# Altium PCB Kasli-DIOT.PCBDOC (part 8 of 21) (continued)
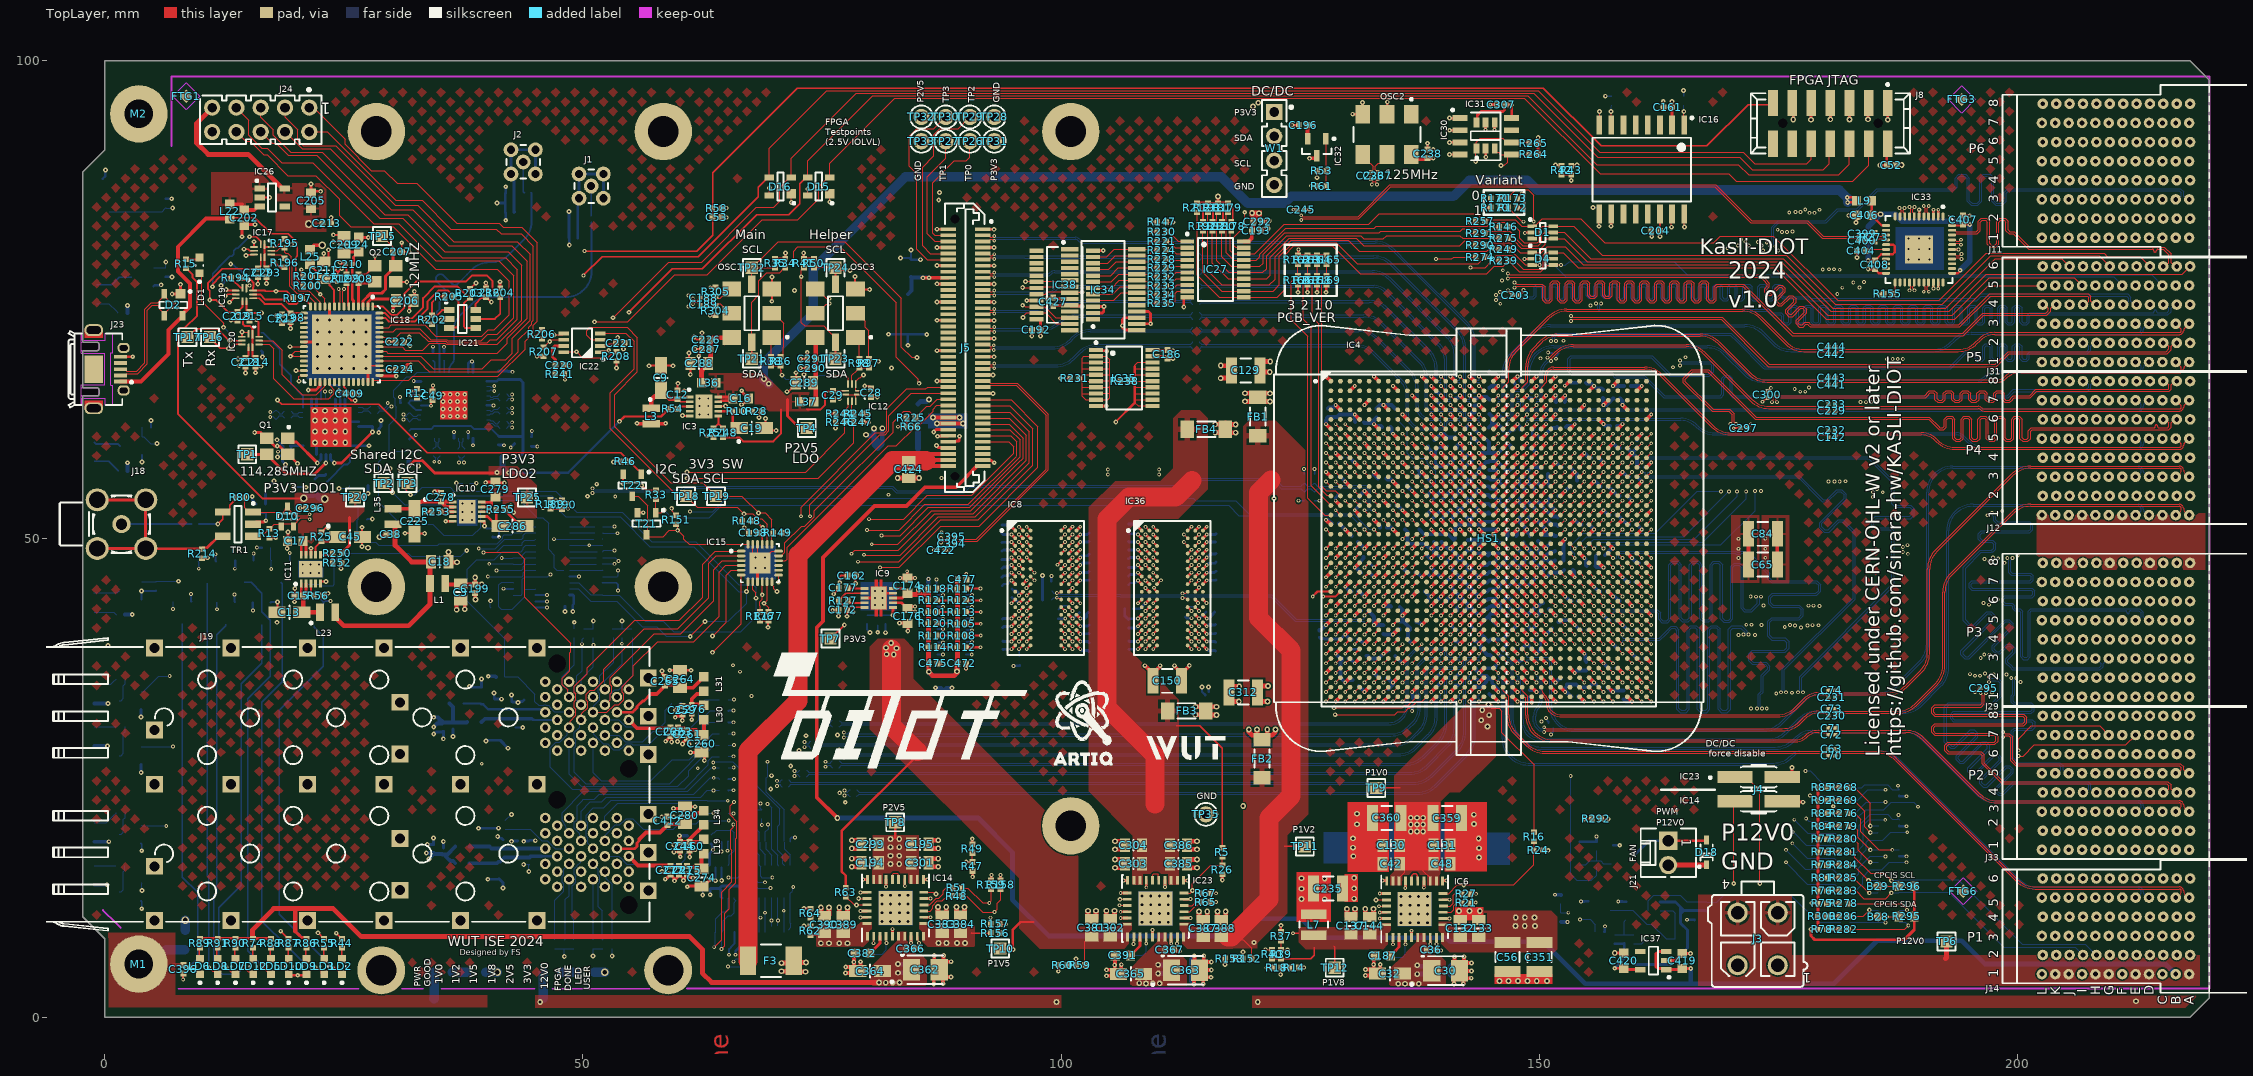
[diagram p0: TopLayer view]
## Nets (pads, with @x,y where several pads share a name; then routed paths per layer and width w, separated by ;. In a path a pad name is that pad's centre, name@x,y a point inside that pad or via, vN(x,y) a via of type N, cw(c..) or ccw(c..) an arc to the next point about the centre after c; other vN are vias at no path point) (continued)
  TopLayer w0.4: v3(27.531,49.075) v3@27.542,49.086 ; v3(28.732,50.211) 28.77,50.25 29.225,50.25 C38.1@29.461,50.486 ; C18.1@35.947,47.957 v3@35.947,48.619 ; C18.1@36.15,47.55 v3@36.813,47.55 ; C3.1@36.771,43.279 36.782,43.268 36.782,42.605 v3(36.793,42.595) ; C3.1@37.621,43.329 37.632,43.318 37.632,42.655 v3(37.643,42.645) ; C199.1@38.732,44.343 38.743,44.332 38.743,43.67 v3(38.754,43.659) ; v2(77.45,4.625) 78.525,4.625 C364.2@78.725,4.825 ; v2(77.475,5.25) 78.3,5.25 C364.2@78.325,5.225 ; C382.1@78.425,6.7 78.341,6.616 78.341,5.788 v2(78.321,5.769) 78.325,5.766 C364.2@78.325,5.225 ; v2(79.015,5.791) 79.015,5.115 C364.2@78.725,4.825 ; v2(86.675,3.475) 86.675,4.375 C362.2@87.25,4.95 ; v2(86.725,6.45) 86.725,5.475 C362.2@87.25,4.95 ; C475.1@87.066,36.981 87.072,36.975 v1(87.625,36.975) ; C362.2@87.25,5.1 C362.2@87.725,5.575 ; v2(87.65,3.5) C362.2@87.65,4.5 ; v2(87.713,6.451) 87.713,5.587 87.925,5.8 v2(88.5,5.8) ; v2(88.475,4.2) 87.95,4.2 C362.2@87.65,4.5 ; v1(90.05,36.45) 90.05,36.987 C472.1@90.053,36.991 ; C477.1@90.075,45.777 v1(90.075,46.325) ; v2(104.725,4.325) 105.8,4.325 C365.2@106,4.525 ; v2(104.75,4.95) 105.575,4.95 C365.2@105.6,4.925 ; C391.1@105.65,6.45 105.616,6.416 105.616,5.488 v2(105.596,5.469) 105.6,5.466 C365.2@105.6,4.925 ; v2(106.29,5.491) 106.29,4.815 C365.2@106,4.525 ; v5(108.75,36.75) 108.769,36.731 108.819,36.731 C150.1@109.6,35.95 ; C150.1@109.6,35.175 C150.1@109.6,35.95 ; v5(110.35,36.75) 110.331,36.731 110.331,36.681 C150.1@109.6,35.95 ; v2(113.875,3.45) 113.875,4.35 C363.2@114.45,4.925 ; v2(113.925,6.425) 113.925,5.45 C363.2@114.45,4.925 ; C363.2@114.45,4.875 C363.2@114.45,4.9 C363.2@114.45,4.925 ; C363.2@114.45,5.075 C363.2@114.925,5.55 ; v2(114.85,3.475) C363.2@114.85,4.475 ; v2(114.913,6.426) 114.913,5.562 115.125,5.775 v2(115.7,5.775) ; v2(115.675,4.175) 115.15,4.175 C363.2@114.85,4.475 ; v2(115.7,4.925) C363.2@114.45,4.925 ; v5(116.85,14.35) R26.1@116.85,14.93 ; v5(125.975,89.8) 126.625,89.8 126.725,89.9 IC32.3@126.725,90.05 ; v1(127.7,36) IC4.AL1@128.2,36.5 ; v1(127.7,46) IC4.AA1@128.2,46.5 ; v1(127.7,57) IC4.L1@128.2,56.5 ; v1(127.7,67) IC4.A1@128.2,66.5 ; v1(128.7,33) IC4.AP2@129.2,33.5 ; v1(128.7,43) IC4.AD2@129.2,43.5 ; v1(128.7,54) IC4.P2@129.2,53.5 ; v1(128.7,64) IC4.D2@129.2,63.5 ; v1(129.7,40) IC4.AG3@130.2,40.5 ; v1(129.7,51) IC4.U3@130.2,50.5 ; v1(129.7,61) IC4.G3@130.2,60.5 ; v1(130.7,37) IC4.AK4@131.2,37.5 ; v1(130.7,47) IC4.Y4@131.2,47.5 ; v1(130.7,58) IC4.K4@131.2,57.5 ; v1(131.7,34) IC4.AN5@132.2,34.5 ; v1(131.7,44) IC4.AC5@132.2,44.5 ; v1(131.7,55) IC4.N5@132.2,54.5 ; v1(131.7,64) IC4.C5@132.2,64.5 ; v2(131.8,4.35) 132.875,4.35 C32.2@133.075,4.55 ; v2(131.825,4.975) 132.65,4.975 C32.2@132.675,4.95 ; v1(132.7,41) IC4.AF6@133.2,41.5 ; v1(132.7,52) IC4.T6@133.2,51.5 ; v1(132.7,62) IC4.F6@133.2,61.5 ; C187.1@132.84,6.44 132.691,6.291 132.691,5.513 v2(132.671,5.494) 132.675,5.491 C32.2@132.675,4.95 ; v2(133.365,5.516) 133.365,4.84 C32.2@133.075,4.55 ; v1(133.7,38) IC4.AJ7@134.2,38.5 ; v1(133.7,48) IC4.W7@134.2,48.5 ; v1(133.7,59) IC4.J7@134.2,58.5 ; v1(134.7,35) IC4.AM8@135.2,35.5 ; v1(134.7,45) IC4.AB8@135.2,45.5 ; v1(134.7,56) IC4.M8@135.2,55.5 ; v1(134.7,66) IC4.B8@135.2,65.5 ; v1(135.7,42) IC4.AE9@136.2,42.5 ; v1(135.7,53) IC4.R9@136.2,52.5 ; v1(135.7,63) IC4.E9@136.2,62.5 ; v1(136.7,39) IC4.AH10@137.2,39.5 ; v1(136.7,49) IC4.V10@137.2,49.5 ; v1(136.7,60) IC4.H10@137.2,59.5 ; v1(137.7,36) IC4.AL11@138.2,36.5 ; v1(137.7,46) IC4.AA11@138.2,46.5 ; v1(137.7,57) IC4.L11@138.2,56.5 ; v1(137.7,67) IC4.A11@138.2,66.5 ; v1(138.7,33) IC4.AP12@139.2,33.5 ; v1(138.7,34) IC4.AN12@139.2,34.5 ; v1(138.7,35) IC4.AM12@139.2,35.5 ; v1(138.7,36) IC4.AL12@139.2,36.5 ; v1(138.7,37) IC4.AK12@139.2,37.5 ; v1(138.7,38) IC4.AJ12@139.2,38.5 ; v1(138.7,39) IC4.AH12@139.2,39.5 ; v1(138.7,44) IC4.AC12@139.2,44.5 ; v1(138.7,46) IC4.AA12@139.2,46.5 ; v1(138.7,48) IC4.W12@139.2,48.5 ; v1(138.7,51) IC4.U12@139.2,50.5 ; v1(138.7,53) IC4.R12@139.2,52.5 ; v1(138.7,55) IC4.N12@139.2,54.5 ; v1(138.7,61) IC4.G12@139.2,60.5 ; v1(138.7,62) IC4.F12@139.2,61.5 ; v1(138.7,63) IC4.E12@139.2,62.5 ; v1(138.7,64) IC4.D12@139.2,63.5 ; v1(138.7,65) IC4.C12@139.2,64.5 ; v1(138.7,66) IC4.B12@139.2,65.5 ; v1(138.7,67) IC4.A12@139.2,66.5 ; v1(139.7,35) IC4.AM13@140.2,35.5 ; v1(139.7,39) IC4.AH13@140.2,39.5 ; v1(139.7,40) IC4.AG13@140.2,40.5 ; v1(139.7,41) IC4.AF13@140.2,41.5 ; v1(139.7,45) IC4.AB13@140.2,45.5 ; v1(139.7,47) IC4.Y13@140.2,47.5 ; v1(139.7,49) IC4.V13@140.2,49.5 ; v1(139.7,52) IC4.T13@140.2,51.5 ; v1(139.7,54) IC4.P13@140.2,53.5 ; v1(139.7,56) IC4.M13@140.2,55.5 ; v1(139.7,58) IC4.K13@140.2,57.5 ; v1(139.7,59) IC4.J13@140.2,58.5 ; v1(139.7,60) IC4.H13@140.2,59.5 ; v1(139.7,61) IC4.G13@140.2,60.5 ; v1(139.7,65) IC4.C13@140.2,64.5 ; v1(140.7,33) IC4.AP14@141.2,33.5 ; v1(140.7,37) IC4.AK14@141.2,37.5 ; v1(140.7,41) IC4.AF14@141.2,41.5 ; v1(140.7,44) IC4.AC14@141.2,44.5 ; v1(140.7,46) IC4.AA14@141.2,46.5 ; v1(140.7,48) IC4.W14@141.2,48.5 ; v1(140.7,51) IC4.U14@141.2,50.5 ; v1(140.7,53) IC4.R14@141.2,52.5 ; v1(140.7,55) IC4.N14@141.2,54.5 ; v1(140.7,57) IC4.L14@141.2,56.5 ; v1(140.7,59) IC4.J14@141.2,58.5 ; v1(140.7,63) IC4.E14@141.2,62.5 ; v1(140.7,67) IC4.A14@141.2,66.5 ; v2@141.075,3.55 141.075,4.249 C30.2@141.65,4.824 ; v2(141.125,6.324) 141.125,5.349 C30.2@141.65,4.824 ; C30.2@141.65,4.774 C30.2@141.65,4.824 ; C30.2@141.65,4.974 C30.2@142.125,5.449 ; v1(141.7,35) IC4.AM15@142.2,35.5 ; v1(141.7,39) IC4.AH15@142.2,39.5 ; v1(141.7,41) IC4.AF15@142.2,41.5 ; v1(141.7,43) IC4.AD15@142.2,43.5 ; v1(141.7,45) IC4.AB15@142.2,45.5 ; v1(141.7,47) IC4.Y15@142.2,47.5 ; v1(141.7,49) IC4.V15@142.2,49.5 ; v1(141.7,52) IC4.T15@142.2,51.5 ; v1(141.7,54) IC4.P15@142.2,53.5 ; v1(141.7,56) IC4.M15@142.2,55.5 ; v1(141.7,58) IC4.K15@142.2,57.5 ; v1(141.7,59) IC4.J15@142.2,58.5 ; v1(141.7,61) IC4.G15@142.2,60.5 ; v1(141.7,65) IC4.C15@142.2,64.5 ; v2@142.05,3.55 C30.2@142.05,4.374 ; v2(142.113,6.326) 142.113,5.462 142.326,5.674 v2(142.9,5.674) ; v1(142.7,33) IC4.AP16@143.2,33.5 ; v1(142.7,37) IC4.AK16@143.2,37.5 ; v1(142.7,41) IC4.AF16@143.2,41.5 ; v1(142.7,42) IC4.AE16@143.2,42.5 ; v1(142.7,44) IC4.AC16@143.2,44.5 ; v1(142.7,46) IC4.AA16@143.2,46.5 ; v1(142.7,48) IC4.W16@143.2,48.5 ; v1(142.7,51) IC4.U16@143.2,50.5 ; v1(142.7,53) IC4.R16@143.2,52.5 ; v1(142.7,55) IC4.N16@143.2,54.5 ; v1(142.7,57) IC4.L16@143.2,56.5 ; v1(142.7,59) IC4.J16@143.2,58.5 ; v1(142.7,63) IC4.E16@143.2,62.5 ; v1(142.7,67) IC4.A16@143.2,66.5 ; v2(142.875,4.074) 142.35,4.074 C30.2@142.05,4.374 ; v2(142.9,4.824) C30.2@141.65,4.824 ; v1(143.7,35) IC4.AM17@144.2,35.5 ; v1(143.7,39) IC4.AH17@144.2,39.5 ; v1(143.7,41) IC4.AF17@144.2,41.5 ; v1(143.7,43) IC4.AD17@144.2,43.5 ; v1(143.7,45) IC4.AB17@144.2,45.5 ; v1(143.7,47) IC4.Y17@144.2,47.5 ; v1(143.7,48) IC4.W17@144.2,48.5 ; v1(143.7,54) IC4.P17@144.2,53.5 ; v1(143.7,56) IC4.M17@144.2,55.5 ; v1(143.7,58) IC4.K17@144.2,57.5 ; v1(143.7,59) IC4.J17@144.2,58.5 ; v1(143.7,61) IC4.G17@144.2,60.5 ; v1(143.7,65) IC4.C17@144.2,64.5 ; IC4.AP18@145.2,33.5 v1(145.7,33) ; IC4.AK18@145.2,37.5 v1(145.7,37) ; IC4.AF18@145.2,41.5 v1(145.7,41) ; IC4.AE18@145.2,42.5 v1(145.7,42) ; IC4.AC18@145.2,44.5 v1(145.7,44) ; IC4.AA18@145.2,46.5 v1(145.7,46) ; IC4.W18@145.2,48.5 v1(145.7,48) ; IC4.R18@145.2,52.5 v1(145.7,53) ; IC4.N18@145.2,54.5 v1(145.7,55) ; IC4.L18@145.2,56.5 v1(145.7,57) ; IC4.J18@145.2,58.5 v1(145.7,59) ; IC4.E18@145.2,62.5 v1(145.7,63) ; IC4.A18@145.2,66.5 v1(145.7,67) ; IC4.AM19@146.2,35.5 v1(146.7,35) ; IC4.AH19@146.2,39.5 v1(146.7,39) ; IC4.AF19@146.2,41.5 v1(146.7,41) ; IC4.AD19@146.2,43.5 v1(146.7,43) ; IC4.AB19@146.2,45.5 v1(146.7,45) ; IC4.Y19@146.2,47.5 v1(146.7,47) ; IC4.V19@146.2,49.5 v1(146.7,49) ; IC4.T19@146.2,51.5 v1(146.7,52) ; IC4.P19@146.2,53.5 v1(146.7,54) ; IC4.M19@146.2,55.5 v1(146.7,56) ; IC4.K19@146.2,57.5 v1(146.7,58) ; IC4.J19@146.2,58.5 v1(146.7,59) ; IC4.G19@146.2,60.5 v1(146.7,61) ; IC4.C19@146.2,64.5 v1(146.7,65) ; IC4.AP20@147.2,33.5 v1(147.7,33) ; IC4.AK20@147.2,37.5 v1(147.7,37) ; IC4.AF20@147.2,41.5 v1(147.7,41) ; IC4.AE20@147.2,42.5 v1(147.7,42) ; IC4.AC20@147.2,44.5 v1(147.7,44) ; IC4.AA20@147.2,46.5 v1(147.7,46) ; IC4.W20@147.2,48.5 v1(147.7,48) ; IC4.U20@147.2,50.5 v1(147.7,51) ; IC4.R20@147.2,52.5 v1(147.7,53) ; IC4.N20@147.2,54.5 v1(147.7,55) ; IC4.L20@147.2,56.5 v1(147.7,57) ; IC4.J20@147.2,58.5 v1(147.7,59) ; IC4.E20@147.2,62.5 v1(147.7,63) ; IC4.A20@147.2,66.5 v1(147.7,67) ; IC4.AM21@148.2,35.5 v1(148.7,35) ; IC4.AH21@148.2,39.5 v1(148.7,39) ; IC4.AF21@148.2,41.5 v1(148.7,41) ; IC4.AD21@148.2,43.5 v1(148.7,43) ; IC4.AB21@148.2,45.5 v1(148.7,45) ; IC4.Y21@148.2,47.5 v1(148.7,47) ; IC4.V21@148.2,49.5 v1(148.7,49) ; IC4.T21@148.2,51.5 v1(148.7,52) ; IC4.P21@148.2,53.5 v1(148.7,54) ; IC4.M21@148.2,55.5 v1(148.7,56) ; IC4.K21@148.2,57.5 v1(148.7,58) ; IC4.J21@148.2,58.5 v1(148.7,59) ; IC4.G21@148.2,60.5 v1(148.7,61) ; IC4.C21@148.2,64.5 v1(148.7,65) ; v1(149.2,32.9) IC4.AP22@149.2,33.5 ; IC4.AK22@149.2,37.5 v1(149.7,37) ; IC4.AG22@149.2,40.5 v1(149.7,40) ; IC4.AF22@149.2,41.5 v1(149.7,41) ; IC4.AE22@149.2,42.5 v1(149.7,42) ; IC4.AC22@149.2,44.5 v1(149.7,44) ; IC4.AA22@149.2,46.5 v1(149.7,46) ; IC4.W22@149.2,48.5 v1(149.7,48) ; IC4.U22@149.2,50.5 v1(149.7,51) ; IC4.R22@149.2,52.5 v1(149.7,53) ; IC4.N22@149.2,54.5 v1(149.7,55) ; IC4.K22@149.2,57.5 v1(149.7,58) ; IC4.J22@149.2,58.5 v1(149.7,59) ; IC4.H22@149.2,59.5 v1(149.7,60) ; IC4.E22@149.2,62.5 v1(149.7,63) ; IC4.A22@149.2,66.5 v1(149.7,67) ; IC4.AM23@150.2,35.5 v1(150.7,35) ; IC4.AL23@150.2,36.5 v1(150.7,36) ; IC4.AK23@150.2,37.5 v1(150.7,37) ; IC4.AJ23@150.2,38.5 v1(150.7,38) ; IC4.AH23@150.2,39.5 v1(150.7,39) ; IC4.AG23@150.2,40.5 v1(150.7,40) ; IC4.AB23@150.2,45.5 v1(150.7,45) ; IC4.Y23@150.2,47.5 v1(150.7,47) ; IC4.V23@150.2,49.5 v1(150.7,49) ; IC4.T23@150.2,51.5 v1(150.7,52) ; IC4.P23@150.2,53.5 v1(150.7,54) ; IC4.M23@150.2,55.5 v1(150.7,56) ; IC4.H23@150.2,59.5 v1(150.7,60) ; IC4.G23@150.2,60.5 v1(150.7,61) ; IC4.F23@150.2,61.5 v1(150.7,62) ; IC4.E23@150.2,62.5 v1(150.7,63) ; IC4.D23@150.2,63.5 v1(150.7,64) ; IC4.C23@150.2,64.5 v1(150.7,65) ; R24.1@150.362,17.455 150.366,17.452 150.925,17.452 v5(150.929,17.448) ; IC4.AP24@151.2,33.5 v1(151.7,33) ; IC4.AN24@151.2,34.5 v1(151.7,34) ; IC4.AM24@151.2,35.5 v1(151.7,35) ; IC4.AK24@151.2,37.5 v1(151.7,37) ; IC4.AE24@151.2,42.5 v1(151.7,42) ; IC4.R24@151.2,52.5 v1(151.7,53) ; IC4.E24@151.2,62.5 v1(151.7,63) ; IC4.C24@151.2,64.5 v1(151.7,65) ; IC4.B24@151.2,65.5 v1(151.7,66) ; IC4.A24@151.2,66.5 v1(151.7,67) ; IC4.AH25@152.2,39.5 v1(152.7,39) ; IC4.V25@152.2,49.5 v1(152.7,50) ; IC4.H25@152.2,59.5 v1(152.7,60) ; v1(152.65,66.025) 152.698,66.025 153.173,66.5 IC4.A26@153.2,66.5 ; IC4.AL26@153.2,36.5 v1(153.7,36) ; IC4.AA26@153.2,46.5 v1(153.7,46) ; IC4.L26@153.2,56.5 v1(153.7,57) ; IC4.AP27@154.2,33.5 v1(154.7,33) ; IC4.AD27@154.2,43.5 v1(154.7,43) ; IC4.P27@154.2,53.5 v1(154.7,54) ; IC4.D27@154.2,63.5 v1(154.7,64) ; IC4.AG28@155.2,40.5 v1(155.7,40) ; IC4.U28@155.2,50.5 v1(155.7,51) ; IC4.G28@155.2,60.5 v1(155.7,61) ; IC4.AK29@156.2,37.5 v1(156.7,37) ; IC4.Y29@156.2,47.5 v1(156.7,47) ; IC4.K29@156.2,57.5 v1(156.7,58) ; v1(156.7,64) IC4.C30@157.2,64.5 ; IC4.AN30@157.2,34.5 v1(157.7,34) ; IC4.AC30@157.2,44.5 v1(157.7,44) ; IC4.N30@157.2,54.5 v1(157.7,55) ; IC4.AF31@158.2,41.5 v1(158.7,41) ; IC4.T31@158.2,51.5 v1(158.7,52) ; IC4.F31@158.2,61.5 v1(158.7,62) ; IC4.AJ32@159.2,38.5 v1(159.7,38) ; IC4.W32@159.2,48.5 v1(159.7,48) ; IC4.J32@159.2,58.5 v1(159.7,59) ; IC4.AM33@160.2,35.5 v1(160.7,35) ; IC4.AB33@160.2,45.5 v1(160.7,45) ; IC4.M33@160.2,55.5 v1(160.7,56) ; IC4.B33@160.2,65.5 v1(160.7,66) ; IC4.AE34@161.2,42.5 v1(161.7,42) ; IC4.R34@161.2,52.5 v1(161.7,53) ; IC4.E34@161.2,62.5 v1(161.7,63) ; C65.1@174.875,47.315 C84.1@174.875,50.54 ; C364.2@78.325,5.225 C364.2@78.725,4.825 ; C362.2@87.25,4.95 87.65,4.55 C362.2@87.65,4.5 ; C365.2@105.6,4.925 C365.2@106,4.525 ; C363.2@114.45,4.925 114.85,4.525 C363.2@114.85,4.475 ; C32.2@132.675,4.95 C32.2@133.075,4.55 ; C30.2@141.65,4.824 142.05,4.424 C30.2@142.05,4.374
  TopLayer w0.5: v2(34.475,54.925) 34.9,54.925 34.965,54.86 35.09,54.86 C278.1@35.15,54.8 ; C390.1@74.875,10.66 v3(74.875,11.46) ; C390.1@75.725,10.66 v3(75.725,11.46) ; C389.1@76.8,10.66 v3(76.8,11.46) ; C389.1@77.65,10.66 v3(77.65,11.46) ; v3(78.1,15.725) C194.1@78.9,15.725 ; v3(78.1,16.575) C194.1@78.9,16.575 ; v3(78.1,17.65) C299.1@78.9,17.65 ; v3(78.1,18.5) C299.1@78.9,18.5 ; v4(82.9,56.375) C424.1@84.075,56.375 v4(85.15,56.375) ; C301.1@86.35,15.725 v3(87.15,15.725) ; C301.1@86.35,16.575 v3(87.15,16.575) ; C195.1@86.35,17.65 v3(87.15,17.65) ; C195.1@86.35,18.5 v3(87.15,18.5) ; C383.1@87.128,10.711 v3(87.128,11.511) ; C383.1@87.978,10.711 v3(87.978,11.511) ; C384.1@89.053,10.711 v3(89.053,11.511) ; C384.1@89.903,10.711 v3(89.903,11.511) ; C381.1@102.798,10.325 v3(102.798,11.125) ; C381.1@103.648,10.325 v3(103.648,11.125) ; C302.1@104.723,10.325 v3(104.723,11.125) ; C302.1@105.573,10.325 v3(105.573,11.125) ; v3(105.625,15.625) C303.1@106.425,15.625 ; v3(105.625,16.475) C303.1@106.425,16.475 ; v3(105.625,17.55) C304.1@106.425,17.55 ; v3(105.625,18.4) C304.1@106.425,18.4 ; C385.1@113.4,15.625 v3(114.2,15.625) ; C385.1@113.4,16.475 v3(114.2,16.475) ; C386.1@113.4,17.55 v3(114.2,17.55) ; C386.1@113.4,18.4 v3(114.2,18.4) ; C387.1@114.423,10.25 v3(114.423,11.05) ; C387.1@115.273,10.25 v3(115.273,11.05) ; C388.1@116.348,10.25 v3(116.348,11.05) ; v3(116.675,66.806) 116.702,66.806 116.724,66.829 117.475,66.829 117.8,67.154 C129.1@117.8,67.625 ; v3(116.687,68.132) 116.707,68.113 117.381,68.113 C129.1@117.433,68.061 ; C388.1@117.198,10.25 v3(117.198,11.05) ; C312.1@117.875,33.005 v3(118.575,33.005) ; C312.1@117.875,34.618 117.875,34.567 v3(118.624,34.567) ; C137.1@129.873,10.525 v3(129.873,11.325) ; C137.1@130.723,10.525 v3(130.723,11.325) ; C144.1@131.798,10.525 v3(131.798,11.325) ; C144.1@132.648,10.525 v3(132.648,11.325)
  TopLayer w0.6: C195.1@86.125,18.175 C195.1@86.35,18.4
  BottomLayer w0.095: C298.1@38.152,55.848 38.165,55.835 v2(38.849,55.835)
  BottomLayer w0.125: v2(43.8,15.975) 44.375,15.975 44.4,16 44.425,15.975 44.339,15.889 v2(44.339,15.242) ; R213.1@50.086,40.615 R130.1@51.086,40.615 v2(51.086,41.42) ; v2(51.052,6.405) R223.1@51.052,7.135 R222.1@52.052,7.135
  BottomLayer w0.15: v1(124.8,54) 125.415,54 R211.1@125.429,53.986 ; R2.1@126.47,56.783 126.5,56.813 v1(126.5,57.3) ; v1(151.204,29.549) 151.204,29.617 151.447,29.86 151.447,30.065 151.465,30.083 151.465,30.26 C200.2@151.447,30.278 ; v1(151.738,68.841) 151.786,68.889 151.786,69.119 151.925,69.258 151.925,69.3 152.05,69.425 C201.2@152.075,69.425
  BottomLayer w0.2: T18.2@3.8,12.15 3.868,12.082 v2(3.868,11.336) ; T17.2@3.8,18.15 3.872,18.078 v2(3.872,17.401) ; T19.2@3.851,43.65 v2(3.851,44.551) 3.878,44.578 5.348,44.578 R227.1@5.375,44.605 ; v2(3.903,58.047) T2.2@3.903,58.762 ; R19.1@4.845,61.675 v2(4.845,62.395) ; v1(9.034,44.232) 9.034,43.466 T8.2@9.05,43.45 ; v1(11.6,48.4) 11.6,47.7 T10.2@11.65,47.65 ; v1(13.566,44.187) 13.566,43.434 T15.2@13.6,43.4 ; T7.2@15.55,47.75 15.57,47.77 v1(15.57,48.484) ; T9.2@17.35,43.35 17.412,43.412 v2(18.05,43.412) ; v2(18.002,60.367) 18.028,60.367 18.113,60.282 18.113,60.279 18.675,59.717 C25.1@18.7,59.717 18.7,59.375 18.55,59.225 v1@18.208,59.225 ; v1(19.341,48.522) 19.341,47.76 T4.2@19.35,47.75 ; v2(19.741,55.417) C26.1@20.47,55.417 21.049,55.417 v2(21.056,55.41) v2@21.085,55.41 ; R45.1@21.97,44.55 22.16,44.36 22.16,44.14 22.85,43.45 T3.2@22.85,43.33 ; T3.2@22.85,43.25 T3.2@22.85,43.33 ; v1(23.606,43.53) 23.05,43.53 T3.2@22.85,43.33 ; v1(41.225,50.225) 41.225,50.95 41.55,51.275 IC29.12@42.697,51.275 ; v1(41.675,44.8) 41.687,44.788 42.684,44.788 IC29.2@42.697,44.775 ; C183.1@42.95,30.3 v5(43.7,30.3) ; IC25.15@45.047,42.825 45.059,42.838 46.213,42.838 v1(46.225,42.85) ; IC25.16@45.047,43.475 v1(46.225,43.475) ; IC25.17@45.047,44.125 v1(46.25,44.125) ; IC29.21@48.597,46.075 v1(49.6,46.075) ; IC25.10@52.047,45.425 53.484,45.425 C227.1@53.659,45.25 53.675,45.234 v1(53.675,44.625) ; C306.1@62.425,13.425 62.525,13.325 v2(62.525,12.775) ; v2(63.85,14.275) IC24.16@63.85,15.675 ; v2(64.5,14.3) IC24.17@64.5,15.675 ; v1(65.1,17.4) 65.138,17.438 65.138,18.337 IC28.2@65.175,18.375 ; R215.1@65.215,23.702 65.238,23.725 v1(65.725,23.725) ; R193.1@65.215,24.89 65.216,24.889 v1(65.775,24.889) ; R141.1@65.215,30.83 65.216,30.831 v1(65.729,30.831) ; R140.1@65.215,32.018 65.247,32.05 v1(65.725,32.05) ; v1(65.275,6.525) 65.275,7.125 65.485,7.335 65.485,7.338 65.825,7.678 IC24.10@65.825,8.9 ; IC28.12@71.675,18.375 71.675,18.646 71.8,18.771 v1(72.156,18.771) ; v2(80.819,40.25) R129.1@80.819,40.955 ; v2(81.619,40.2) C175.1@81.619,41.125 ; v1(86.975,45.777) 86.975,45.088 C473.1@87.011,45.052 ; C476.1@90.075,45.777 C476.1@90.09,45.762
  BottomLayer w0.25: T20.2@157.742,17.975 157.754,17.962 158.387,17.962 v2(158.4,17.975)
  BottomLayer w0.254: SW1.2@-0.225,87.662 -0.209,87.662 0.064,87.935 v5(0.064,88.588) ; T12.2@5.1,76.425 5.203,76.528 5.853,76.528 v5(5.9,76.575) ; R23.1@6.35,77.405 6.353,77.403 7.022,77.403 v5(7.025,77.4) ; v5@7.8,76.625 v5(7.922,76.625) ; R256.2@40.555,50.225 40.583,50.197 41.197,50.197 v1(41.225,50.225) ; v2(83.2,79.374) 84.126,79.374 C423.1@84.3,79.2 ; v2(84.3,80.2) C423.1@84.3,79.2 ; v2(85.3,79.2) C423.1@84.3,79.2 ; v1(95,36.725) 95.027,36.752 95.648,36.752 R125.2@95.675,36.78 ; v1(98.972,46.14) 98.974,46.139 98.974,45.551 C471.1@98.975,45.55 ; R99.1@99.675,41.68 100.37,41.68 100.375,41.675 v1(100.425,41.675) v1@100.45,41.65 ; v5(114.716,34.509) 114.727,34.498 114.727,34.023 C50.1@115.075,33.675 ; C50.1@115.411,34.032 v5@115.411,34.507 ; C483.1@135.396,41.288 135.875,41.288 135.957,41.207 ; D3.2@187.617,10.558 187.633,10.542 188.376,10.542 v1(188.392,10.526) ; D5.2@187.617,13.703 187.633,13.687 188.376,13.687 v1(188.392,13.672) ; D7.2@187.617,16.849 187.633,16.833 188.376,16.833 v1(188.392,16.817) ; D8.2@187.617,19.994 187.633,19.978 188.376,19.978 v1(188.392,19.962) ; D6.2@187.625,23.132 187.641,23.116 188.384,23.116 v1(188.4,23.1)